# Allegro board mb1260.brd
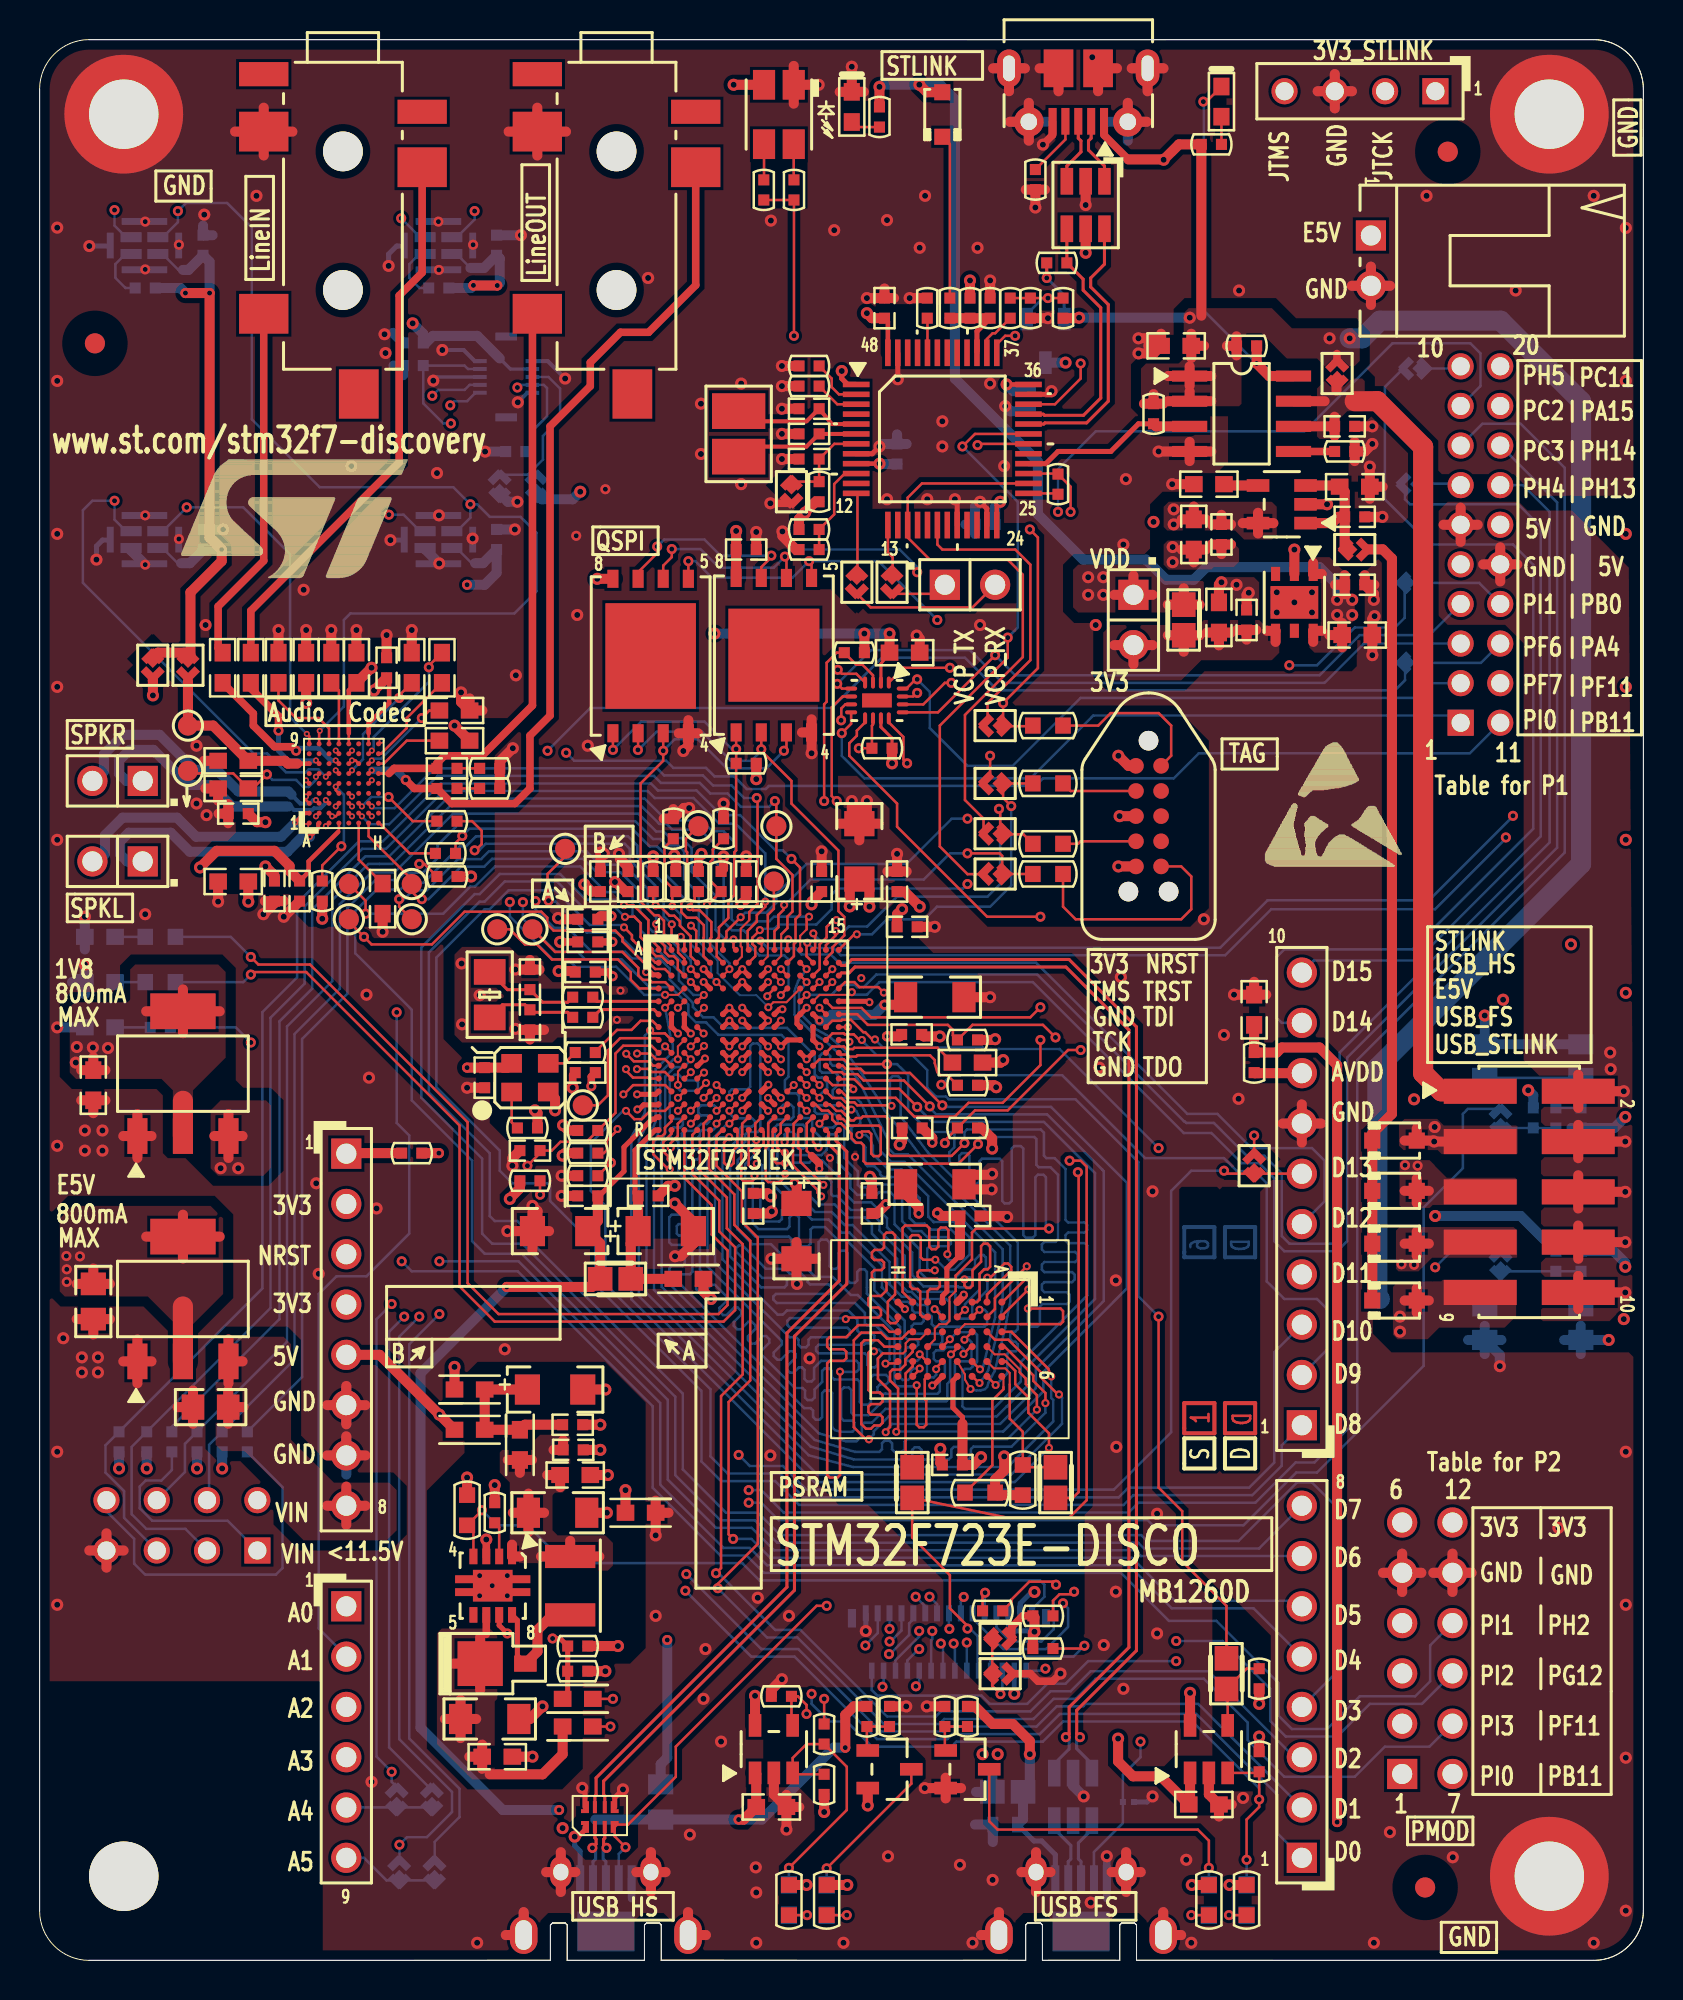
[diagram p0: board, top side]
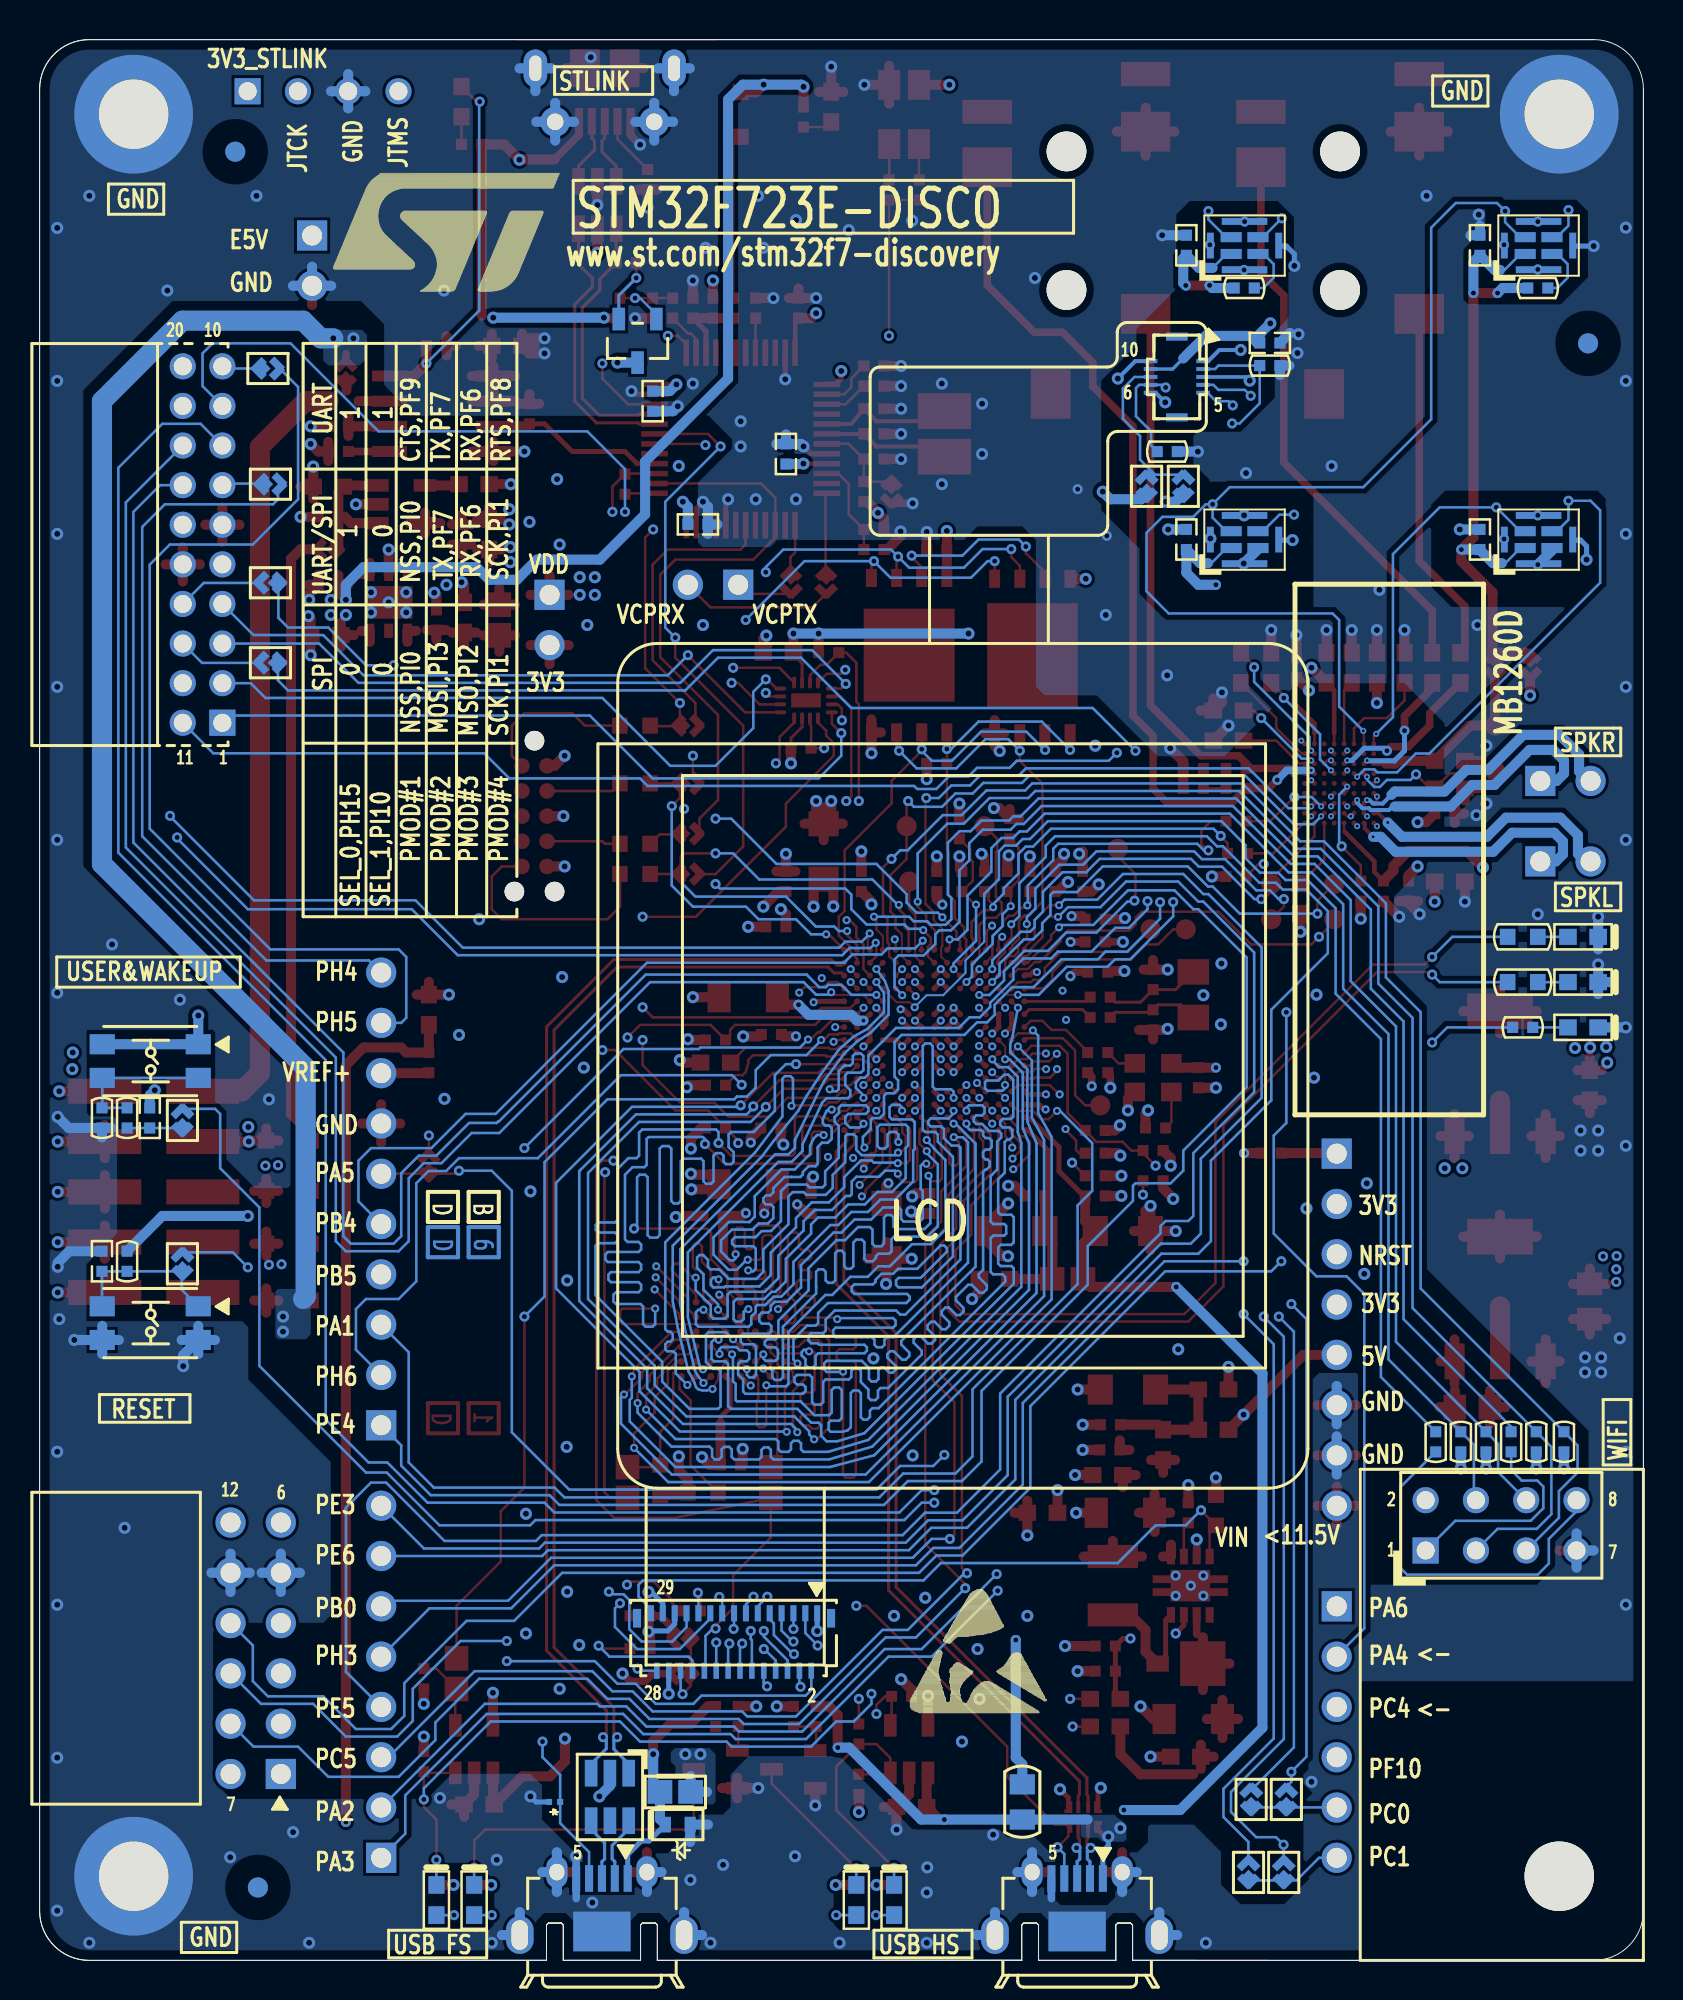
[diagram p1: board, bottom side, seen from below]

Outline 81 x 97 mm; copper layers: TOP, L2_GND, L3_VCC, L4_SIG, L5_GND, BOTTOM. Coordinates in mm from the lower left corner of the outline.
Outline path: 0,94.49 0,90.31 ; 0,94.49 arc(0.74,96.26) 2.51,97 ; 0,94.49 0,90.31 ; 0,90.31 0,2.51 ; 0,90.31 0,2.51 ; 2.51,97 78.49,97 ; 2.51,97 78.49,97 ; 0,2.51 arc(0.74,0.74) 2.51,0 ; 78.49,97 arc(80.27,96.26) 81,94.49 ; 78.49,97 arc(80.27,96.26) 81,94.49 ; 2.51,0 25.8,0 ; 2.51,0 25.8,0 ; 25.8,0 18.95,0 ; 25.8,0 25.8,1.79 ; 25.8,0 25.8,1.79 ; 25.8,1.79 25.9,1.89 ; 25.8,1.79 25.9,1.89 ; 25.9,1.89 26.55,1.89 ; 25.9,1.89 26.55,1.89 ; 26.55,1.89 26.65,1.79 ; 26.55,1.89 26.65,1.79 ; 26.65,1.79 26.65,0 ; 26.65,1.79 26.65,0 ; 26.65,0 30.55,0 ; 26.65,0 30.55,0 ; 30.55,0 30.55,1.79 ; 30.55,0 30.55,1.79 ; 30.55,1.79 30.65,1.89 ; 30.55,1.79 30.65,1.89 ; 30.65,1.89 31.3,1.89 ; 30.65,1.89 31.3,1.89 ; 31.3,1.89 31.4,1.79 ; 31.3,1.89 31.4,1.79 ; 31.4,1.79 31.4,0 ; 31.4,1.79 31.4,0 ; 31.4,0 34.57,0 ; 31.4,0 48.9,0 ; 31.4,0 49.8,0 ; 31.4,0 49.8,0 ; 49.8,0 49.8,1.79 ; 49.8,0 49.8,1.79 ; 49.8,1.79 49.9,1.89 ; 49.8,1.79 49.9,1.89 ; 49.9,1.89 50.55,1.89 ; 49.9,1.89 50.55,1.89 ; 50.55,1.89 50.65,1.79 ; 50.55,1.89 50.65,1.79 ; 50.65,1.79 50.65,0 ; 50.65,1.79 50.65,0 ; 50.65,0 54.55,0 ; 50.65,0 54.55,0 ; 54.55,0 54.55,1.79 ; 54.55,0 54.55,1.79 ; 50.93,0 54.36,0 ; 54.55,1.79 54.65,1.89 ; 54.55,1.79 54.65,1.89 ; 54.65,1.89 55.3,1.89 ; 54.65,1.89 55.3,1.89 ; 55.3,1.89 55.4,1.79 ; 55.3,1.89 55.4,1.79 ; 55.4,1.79 55.4,0 ; 55.4,1.79 55.4,0 ; 55.4,0 58.57,0 ; 55.4,0 78.49,0 ; 55.4,0 78.49,0 ; 78.49,0 arc(80.27,0.74) 81,2.51 ; 78.49,0 arc(80.27,0.74) 81,2.51 ; 81,94.49 81,92.47 ; 81,94.49 81,92.47 ; 81,92.47 81,2.51 ; 81,92.47 81,2.51

## Design rules (mm)
net group 5V_USB_HS: nets 5V_USB_HS USB_OTGHS_VBUS
net group ARD_D5: nets ARD_D5 STMOD+_TIM3_CH3
net group ARD_D14: nets ARD_D14 STMOD+_I2C2_SDA
net group DIFFPAIR1: nets NETCN7_1 NETCN7_2
net group DIFFPAIR2: nets NETCN10_1 NETCN10_2
net group LCD-RS_A0: nets LCD-RS_A0 PSRAM_A0
net group LCD_PSRAM_NWE: nets LCD_PSRAM_NWE NETR64_2
net group NETB1_2: nets NETB1_2 NETC86_2
net group NETC9_2: nets NETC9_2 NETD2_2
net group NETC18_1: nets NETC18_1 NETC18_2
net group NETC25_1: nets NETC25_1 NETC25_2
net group NETC27_1: nets NETC27_1 NETC27_2
net group NETC30_1: nets NETC30_1 NETC30_2
net group NETC32_1: nets NETC32_1 NETC32_2
net group NETC48_2: nets NETC48_2 PC14-OSC32_IN
net group NETC51_2: nets NETC51_2 PC15-OSC32_OUT
net group NETCN14_1: nets NETCN14_1 WIFI_RX
net group NETCN14_8: nets NETCN14_8 WIFI_TX
net group NETLD5_1: nets NETLD5_1 SYS_LD_USER1
net group NETLD6_1: nets NETLD6_1 SYS_LD_USER2
net group NETLD7_2: nets NETLD7_2 USB_OTGHS_OVCR
net group NETR10_1: nets NETR10_1 USB_STLK_P
net group NETR35_2: nets NETR35_2 SAI2_I2C1_SDA
net group NETR39_2: nets NETR39_2 SAI2_I2C1_SCL
net group NETR63_1: nets NETR63_1 PSRAM_NE1
net group NETR72_2: nets NETR72_2 USB_OTGFS_PPWR_EN
net group NETR76_2: nets NETR76_2 USB_OTGFS_VBUS
net group OSC_25M: nets OSC_25M PH0-OSCIN
net group STLINK_RX: nets STLINK_RX VCP_TX
net group STLINK_TX: nets STLINK_TX VCP_RX
net group SYS_STLINK_JTMS: nets SYS_STLINK_JTMS TAG_SWDIO
net group T_JTMS: nets T_JTMS T_SWDIO_IN
net group USB_OTGFS: nets USB_OTGFS_N USB_OTGFS_P
net group USB_OTGFS_CN: nets USB_OTGFS_CN_N USB_OTGFS_CN_P
net group USB_OTGHS: nets USB_OTGHS_N USB_OTGHS_P
net group USB_OTGHS_CN: nets USB_OTGHS_CN_N USB_OTGHS_CN_P
net group USB_STLK_CN: nets USB_STLK_CN_N USB_STLK_CN_P
net group 3V3_ST_LINK: nets AIN_1 NETD1_2 PWR_EXT STM_RST
net group 5V: nets NETLD2_1
net group 5V_ST_LINK: nets NETLD3_1 NETLD3_2 NETR7_1 PWR_ENN USB_RENUMN
net group ARD_A5: nets ARD_A5 ARD_D15 NETCN15_6
net group ARD_D13: nets ARD_D13 NETLD1_1 NETR12_2
net group BLGND: nets LEDK NETC67_1 NETL7_2 NETR67_2
net group DATA: nets NETR19_2
net group DIFFPAIR0: nets USB_STLK_N
net group DMIC_VDD: nets DMIC_VDD NETR85_1 NETR86_1
net group E5V: nets NETCN12_1
net group LED_STLINK: nets LED_STLINK NETLD4_2 NETLD4_3
net group NETB2_1: nets NETB2_1 NRST TAG_NRST
net group NETCN11_8: nets NETCN11_8 VDDA VREF+
net group SYS_STLINK_JTCK: nets SYS_STLINK_JTCK T_JTCK TAG_SWCLK
net group SYS_STLINK_JTDO-SWO: nets SYS_STLINK_JTDO-SWO T_SWO TAG_SWO

## Placement (name value [footprint] x y rotation side)
B1  SW-PUSH-CMS_EVQP2_BLUE  [TACT_4SM_3R5X5R5]  75.41 45.42 90 bottom
B2  SW-PUSH-CMS_EVQP2_BLACK  [TACT_4SM_3R5X5R5]  75.41 32.18 90 bottom
C1  100nF  [0402C]  42.67 83.44 90 top
C2  100nF  [0402C]  18.87 81.68 180 bottom
C3  1uF  [0603C]  57.4 81.53 0 top
C4  10pF  [0402C]  38.86 78.36 0 top
C5  100nF  [0402C]  65.91 77.47 180 top
C6  10pF  [0402C]  38.86 77.09 0 top
C7  100nF  [0402C]  38.86 75.82 0 top
C8  10nF_X7R_10%_0603  [0603C]  59.05 74.55 0 top
C9  1uF  [0603C]  66.42 74.42 180 top
C10  100nF  [0402C]  66.42 72.9 180 top
C11  1uF  [0603C]  58.29 72.01 90 top
C12  100nF  [0402C]  59.69 72.01 90 top
C13  100nF  [0402C]  35.69 71.25 180 top
C14  100nF  [0402C]  66.42 69.47 180 top
C15  1uF  [0603C]  59.56 67.82 270 top
C16  100nF  [0402C]  60.96 67.69 270 top
C17  1uF  [0603C]  66.55 66.93 180 top
C18  1uF  [0603C]  10.67 65.28 90 top
C19  4.7uF  [0603C]  12.06 65.28 270 top
C20  4.7uF  [0603C]  13.46 65.28 90 top
C21  4.7uF  [0603C]  14.73 65.28 90 top
C22  4.7uF  [0603C]  16 65.28 90 top
C23  100nF  [0402C]  17.53 65.28 90 top
C24  1uF  [0603C]  18.8 65.28 90 top
C25  2.2uF_X5R_10%_0603  [0603C]  20.32 65.28 90 top
C26  2.2uF_X5R_10%_0603  [0603C]  20.95 63.12 0 top
C27  1uF  [0603C]  9.25 65.28 90 top
C28  2.2uF_X5R_10%_0603  [0603C]  20.95 61.59 0 top
C29  4.7uF  [0603C]  9.78 60.58 0 top
C30  100nF  [0402C]  20.57 60.2 0 top
C31  4.7uF  [0603C]  9.78 59.18 0 top
C32  100nF  [0402C]  20.57 59.18 0 top
C33  100nF  [0402C]  10.03 57.91 180 top
C34  4.7uF  [TAN-A]  41.4 56.01 270 top
C35  1uF  [0603C]  9.78 54.48 0 top
C36  100nF  [0402C]  28.32 54.48 270 top
C37  100nF  [0402C]  29.72 54.48 270 top
C38  100nF  [0402C]  35.69 54.48 270 top
C39  100nF  [0402C]  39.5 54.48 270 top
C40  100nF  [0402C]  43.31 54.48 270 top
C41  100nF  [0402C]  11.86 54 270 top
C42  100nF  [0402C]  13.13 54 270 top
C43  1uF  [0603C]  17.32 53.62 90 top
C44  100nF  [0402C]  27.69 52.58 0 top
C45  100nF  [0402C]  43.81 52.2 180 top
C46  100nF  [0402C]  27.69 51.44 0 top
C47  100nF  [0402C]  27.56 49.91 0 top
C48  4.7pF_NPO_-+0.25pF_0402  [0402C]  24.77 49.53 270 top
C49  2.2uF  [1206C]  45.21 48.64 180 top
C50  1uF  [0603C]  61.34 48.01 270 top
C51  4.7pF_NPO_-+0.25pF_0402  [0402C]  24.77 47.5 90 top
C52  100nF  [0402C]  44.04 46.76 180 top
C53  100nF  [0402C]  27.56 44.83 0 top
C54  2.2uF_X5R_10%_0603  [0603C]  46.86 45.34 0 top
C55  100nF  [0402C]  22.48 44.58 90 top
C56  100nF  [0402C]  44.07 42.04 180 top
C57  10uF  [0603C]  2.71 44.2 90 top
C58  2.2uF  [1206C]  45.21 39.19 180 top
C59  100nF  [0402C]  27.69 38.61 0 top
C60  100nF  [0402C]  30.73 38.61 180 top
C61  100nF  [0402C]  36.04 38.23 90 top
C62  100nF  [0402C]  42.04 38.23 90 top
C63  100nF  [0402C]  46.99 37.59 180 top
C64  1uF  [TAN-A]  26.29 36.83 0 top
C65  1uF  [TAN-A]  31.62 36.83 180 top
C66  4.7uF  [TAN-A]  38.23 36.83 90 top
C67  10uF_POL_10%_TANA  [TAN-A]  26.04 28.83 180 top
C68  10uF  [0805C]  2.71 33.27 90 top
C69  100nF  [0402C]  26.92 27.05 180 top
C70  100nF  [0402C]  26.95 25.78 180 top
C71  100nF  [0402C]  46.1 25.02 0 top
C72  10nF_X7R_10%_0603  [0603C]  27.05 24.51 180 top
C73  4.7uF_X7R_10%_1206  [1206C]  26.16 22.61 180 top
C74  10uF  [0805C]  8.64 27.94 0 top
C75  4.7uF_X7R_10%_1206  [1206C]  22.73 12.19 180 top
C76  10nF_X7R_10%_0603  [0603C]  23.11 10.29 180 top
C77  4.7uF  [0603C]  58.8 7.87 0 top
C78  4.7uF  [0603C]  36.96 7.75 0 top
C79  100nF  [0402C]  23.08 86.61 90 bottom
C80  100nF  [0402C]  8.26 86.61 90 bottom
C81  100nF  [0402C]  50.04 78.74 90 bottom
C82  100nF  [0402C]  43.31 76.07 270 bottom
C83  100nF  [0402C]  47.75 72.52 0 bottom
C84  100nF  [0402C]  23.08 71.75 90 bottom
C85  100nF  [0402C]  8.26 71.75 90 bottom
C86  100nF  [0402C]  75.44 42.55 270 bottom
C87  100nF  [0402C]  77.85 35.31 270 bottom
C92  1uF  [0603C]  43.69 66.04 0 top
C93  100nF  [0402C]  24.77 40.89 0 top
CN1  1050170001  [MICRO_USB_B_105017]  52.46 92.95 180 top
CN2  Header 4  [HDR_1X4_2R54]  70.5 94.39 180 top
CN3  WF25402-06421  [HDR_1X2_2R54_RA_11R35]  67.24 87.11 90 top
CN4  PJ3028B-3_BE_3PINS  [PJ3028B]  15.32 91.35 270 top
CN5  PJ3028B-3_GR_3PINS  [PJ3028B]  29.14 91.35 270 top
CN6  JP2  [SIP2]  45.72 69.47 0 top
CN7  JP2  [SIP2]  5.21 59.56 180 top
CN8  Header M Straight 5x2H TSM  [TSM-105-01-S-DV]  75.23 38.81 270 top
CN9  -  [TC2050-IDC-NL]  56.01 57.78 270 top
CN10  JP2  [SIP2]  5.21 55.5 180 top
CN11  BL 1-10 G  [HDR_1X10_2R54_W]  63.75 27.02 90 top
CN12  BL 1-8 G  [HDR_1X8_2R54_W]  15.49 40.74 270 top
CN13  BL 1-8 G  [HDR_1X8_2R54_W]  63.75 5.18 90 top
CN14  Header F Straight 4x2H  [HDR_2X4_2R54]  11 20.7 180 bottom
CN15  BL 1-6 G  [HDR_1X6_2R54_W]  15.49 17.88 270 top
CN16  DF37NB-10DS-0.4V (5x)  [DF37NB-10DS-0R4V]  23.56 79.96 90 bottom
CN17  FH26-29S-0.3SHW  [FH26-29S-0R3SHW]  45.93 16.08 0 bottom
CN18  475900001  [MOLEX_47590001]  52.6 4.14 180 bottom
CN19  475900001  [MOLEX_47590001]  28.6 4.14 180 bottom
D1  BAT60JFILM  [SOD-323]  45.59 93.22 90 top
D2  BAT60JFILM  [SOD-323]  68.43 33.32 0 top
D3  BAT60JFILM  [SOD-323]  68.43 36.2 0 top
D4  BAT60JFILM  [SOD-323]  68.43 38.86 0 top
D5  BAT60JFILM  [SOD-323]  68.43 41.4 0 top
H1  POSITION HOLE C6D3R5  [HOLE_C6D3R5]  76.25 93.23 0 top
H2  POSITION HOLE C6D3R5  [HOLE_C6D3R5]  4.25 93.23 0 top
H4  POSITION HOLE C6D3R5  [HOLE_C6D3R5]  76.25 4.25 0 top
JP1  JP2  [SIP2]  55.24 68.96 270 top
L1  FCM1608KF-601T03  [0603L]  32.77 34.42 180 top
L2  FCM1608KF-601T03  [0603L]  21.72 28.83 0 top
L3  FCM1608KF-601T03  [0603L]  21.72 26.8 0 top
L4  FCM1608KF-601T03  [0603L]  24.26 26.04 270 top
L5  FCM1608KF-601T03  [0603L]  30.35 22.61 180 top
L6  4.7uH 1A 30%  [1210L]  26.8 18.92 270 top
L7  FCM1608KF-601T03  [0603L]  27.18 13.21 180 top
L8  FCM1608KF-601T03  [0603L]  27.18 11.81 0 top
LD1  LED blue  [0603D]  3.05 47.12 180 bottom
LD2  LED red  [0603D]  41.02 93.6 90 top
LD3  LED red  [0603D]  59.69 93.87 90 top
LD4  LD_BICOLOR_CMS  [LED2_3528]  37.34 93.22 180 top
LD5  LED red  [0603D]  3.05 51.69 180 bottom
LD6  LED green  [0603D]  3.05 49.4 180 bottom
LD7  LED red  [0603D]  37.85 3.05 90 bottom
LD8  LED green  [0603D]  39.75 3.05 90 bottom
LD9  LED green  [0603D]  59.05 3.05 90 bottom
LD10  LED red  [0603D]  60.96 3.05 90 bottom
NOREF  -  []  4.7 228.5 0 top
NOREF#2  -  []  15.49 5.18 0 top
NOREF#3  -  []  450.6 -120.4 0 top
NOREF#4  -  []  322.2 176.15 0 top
NOREF#5  -  [unnamed#2]  69.98 3.68 0 top
NOREF#6  -  [unnamed#2]  2.79 81.66 0 top
NOREF#7  -  []  78.49 0 90 top
NOREF#8  -  [unnamed#2]  71.12 91.34 0 top
NOREF#9  -  []  15.49 17.88 90 top
NOREF#10  -  []  283.34 118.87 0 top
NOREF#11  -  []  13.59 -41.66 0 top
NOREF#12  -  []  -7.62 0 0 top
NOREF#13  -  []  76.25 4.25 0 top
NOREF#14  -  [unnamed#2]  4.25 4.25 0 top
NOREF#15  -  []  4.25 4.25 90 top
NOREF#16  -  []  4.62 87.02 0 top
NOREF#17  -  []  2.51 0 90 top
NOREF#18  -  []  0 2.51 0 top
NOREF#19  -  []  63.75 22.96 90 top
NOREF#20  -  []  4.62 72.17 90 top
NOREF#21  -  []  4.25 4.25 0 top
NOREF#22  Value  []  -60.71 -15.54 270 bottom
NOREF#23  Value  []  34.37 45.18 270 bottom
NOREF#24  -  [unnamed#2]  69.98 3.68 180 bottom
NOREF#25  -  [unnamed#2]  71.12 91.34 180 bottom
NOREF#26  -  [unnamed#2]  2.79 81.66 180 bottom
P1  -  [SQT-110-01-F-D-RA]  72.77 71.5 270 bottom
P2  -  [SSW-106-02-F-D-RA]  68.82 9.41 270 bottom
R1  1K  [0402R]  42.42 93.09 270 top
R2  1K  [0402R]  59.18 91.71 180 top
R3  100K_1%_0402  [0402R]  44.83 83.44 270 top
R4  2K7  [0402R]  45.97 83.44 90 top
R5  0  [0402R]  46.99 83.44 90 top
R6  4K7_1%_0402  [0402R]  48.01 83.44 270 top
R7  100  [0402R]  49.02 83.44 270 top
R8  36K  [0402R]  50.04 83.44 90 top
R9  100K_1%_0402  [0402R]  50.29 89.93 90 top
R10  1K5  [0402R]  51.37 85.72 0 top
R11  10K  [0402R]  51.69 83.44 90 top
R12  680_1%_0402  [0402R]  6.1 47.12 0 bottom
R13  330  [0402R]  36.58 89.41 90 top
R14  330  [0402R]  38.1 89.41 90 top
R15  100K_1%_0402  [0402R]  60.96 81.53 180 top
R16  47K_1%_0402  [0402R]  37.47 13.34 0 top
R17  10K  [0402R]  38.86 80.52 0 top
R18  100K_1%_0402  [0402R]  24.05 76.19 0 bottom
R19  10K  [0402R]  38.86 79.5 0 top
R20  10K  [0402R]  56.26 78.11 90 top
R21  100K_1%_0402  [0402R]  18.87 80.54 0 bottom
R22  2K2  [0402R]  65.91 76.2 0 top
R23  100  [0402R]  51.44 74.55 270 top
R24  100K_1%_0402  [0402R]  39.37 74.17 270 top
R25  4K7_1%_0402  [0402R]  38.86 72.26 0 top
R26  4K7_1%_0402  [0402R]  38.86 71.25 0 top
R27  0_5%_0603  [0603R-GS]  57.78 67.69 270 top
R28  22R  [R0603]  50.93 62.36 180 top
R29  10K  [0402R]  42.55 61.21 180 top
R30  10K  [0402R]  35.69 60.45 0 top
R31  20  [0402R]  22.73 60.2 0 top
R32  22R  [R0603]  50.93 59.44 180 top
R33  20  [0402R]  22.73 59.18 0 top
R35  0  [0402R]  20.57 57.53 180 top
R36  10K  [0402R]  32 57.15 270 top
R37  10K  [0402R]  34.54 57.15 270 top
R38  22R  [R0603]  50.93 56.39 180 top
R39  0  [0402R]  20.5 55.91 180 top
R40  22R  [R0603]  50.93 54.86 180 top
R41  10K  [0402R]  20.57 54.74 180 top
R42  2K7  [0402R]  30.99 54.48 270 top
R43  10K  [0402R]  32.13 54.48 270 top
R44  2K7  [0402R]  33.27 54.48 270 top
R45  10K  [0402R]  34.42 54.48 270 top
R46  10K  [0402R]  14.27 54 270 top
R47  1K_1%_0603  [0603R]  6.1 51.69 180 bottom
R48  510_1%_0603  [0603R]  6.1 49.4 180 bottom
R49  0  [0402R]  27.43 48.64 0 top
R50  0  [0402R]  27.43 47.62 0 top
R51  100  [0402R]  27.56 45.85 0 top
R52  2K7  [0402R]  46.86 46.48 180 top
R53  0  [0402R]  61.34 45.34 90 top
R54  3K  [0402R]  46.86 44.2 0 top
R55  10K  [0402R]  24.64 42.04 180 top
R56  2K7  [0402R]  46.86 42.04 0 top
R57  10K  [0402R]  27.69 41.91 180 top
R58  1K  [0402R]  18.8 40.77 0 top
R59  2K7  [0402R]  24.77 39.37 180 top
R60  2K7  [0402R]  27.69 40.77 180 top
R61  10K  [0402R]  27.69 39.62 0 top
R62  0_5%_0603  [0603R-GS]  29.08 34.42 0 top
R63  10K_1%_0603  [0603R]  49.66 24.26 270 top
R64  0_5%_0603  [0603R-GS]  44.07 24.13 90 top
R65  0_5%_0603  [0603R-GS]  51.31 24.13 90 top
R66  10_1%_0603  [0603R]  21.59 22.73 270 top
R67  100K_1%_0402  [0402R]  22.99 22.61 270 top
R68  100K_1%_0402  [0402R]  50.67 17.4 0 top
R69  100K_1%_0402  [0402R]  27.18 15.88 180 top
R70  100K_1%_0402  [0402R]  50.67 15.75 0 top
R71  100K_1%_0402  [0402R]  27.18 14.61 180 top
R72  0_5%_0603  [0603R-GS]  59.94 14.48 270 top
R73  47K_1%_0402  [0402R]  61.59 14.22 270 top
R74  47K_1%_0402  [0402R]  41.78 12.32 90 top
R75  100K_1%_0402  [0402R]  42.93 12.32 90 top
R76  10K  [0402R]  45.72 12.32 270 top
R77  47K_1%_0402  [0402R]  46.86 12.32 90 top
R78  0  [0402R]  39.62 11.43 90 top
R79  47K_1%_0402  [0402R]  61.59 10.03 90 top
R80  3K3  [0402R]  39.62 8.89 90 top
R81  620_1%_0603  [0603R]  37.85 3.05 270 top
R82  330_1%_0603  [0603R]  39.75 3.05 90 top
R83  330_1%_0603  [0603R]  59.05 3.05 90 top
R84  620_1%_0603  [0603R]  60.96 3.05 90 top
R85  10K  [0402R]  20.16 84.45 0 bottom
R86  10K  [0402R]  5.33 84.45 0 bottom
R89  10K  [0402R]  77.85 42.55 90 bottom
R90  10K  [0402R]  76.58 42.55 90 bottom
R91  10K  [0402R]  76.58 35.31 90 bottom
R92  1K  [0402R]  6.68 26.19 270 bottom
R93  10K  [0402R]  5.41 26.19 90 bottom
R94  10K  [0402R]  9.22 26.19 90 bottom
R95  10K  [0402R]  7.95 26.19 90 bottom
R96  10K  [0402R]  4.01 26.19 90 bottom
R97  1K  [0402R]  10.49 26.19 90 bottom
R98  0_5%_0805  [0805R]  31.37 8 270 bottom
R99  0_5%_0603  [0603R-GS]  48.9 8.51 180 bottom
R100  10K_1%_0603  [0603R]  47.5 23.62 0 top
R101  0  [0402R]  48.13 17.65 180 top
R102  10K  [0402R]  41.15 66.04 0 top
SB1  Solder Bridge ON  [JP2_SMD]  5.71 65.41 90 top
SB2  Solder Bridge OFF  [JP2_SMD]  23.24 74.44 270 bottom
SB3  Solder Bridge OFF  [JP2_SMD]  65.53 80.14 270 top
SB4  Solder Bridge ON  [JP2_SMD]  25.09 74.44 270 bottom
SB5  Solder Bridge OFF  [JP2_SMD]  7.49 65.41 90 top
SB6  Solder Bridge OFF  [JP2_SMD]  37.97 74.17 90 top
SB7  Solder Bridge ON  [JP2_SMD]  66.42 71.25 180 top
SB8  Solder Bridge ON  [JP2_SMD]  41.27 69.6 90 top
SB9  Solder Bridge ON  [JP2_SMD]  43.05 69.6 90 top
SB10  Solder Bridge ON  [JP2_SMD]  48.26 62.36 0 top
SB11  Solder Bridge ON  [JP2_SMD]  48.26 59.44 0 top
SB12  Solder Bridge ON  [JP2_SMD]  48.26 56.9 0 top
SB13  Solder Bridge ON  [JP2_SMD]  48.26 54.86 0 top
SB14  Solder Bridge ON  [JP2_SMD]  61.34 40.13 270 top
SB15  Solder Bridge ON  [JP2_SMD]  48.51 16.26 180 top
SB16  Solder Bridge OFF  [JP2_SMD]  48.51 14.48 180 top
SB25  Solder Bridge ON  [JP2_SMD]  69.34 74.55 0 bottom
SB27  Solder Bridge ON  [JP2_SMD]  69.47 80.39 0 bottom
SB28  Solder Bridge ON  [JP2_SMD]  69.34 65.53 180 bottom
SB29  Solder Bridge ON  [JP2_SMD]  69.34 69.57 180 bottom
SB33  Solder Bridge ON  [JP2_SMD]  73.79 42.42 270 bottom
SB34  Solder Bridge ON  [JP2_SMD]  73.79 35.18 270 bottom
SB35  Solder Bridge ON  [JP2_SMD]  19.81 8.13 270 bottom
SB36  Solder Bridge OFF  [JP2_SMD]  18.03 8.13 270 bottom
SB37  Solder Bridge ON  [JP2_SMD]  19.94 4.44 270 bottom
SB38  Solder Bridge OFF  [JP2_SMD]  18.17 4.44 270 bottom
T1  9013-SOT23  [SOT-23]  42.93 9.65 180 top
T2  9013-SOT23  [SOT-23]  46.86 9.65 180 top
T3  9013-SOT23  [SOT-23]  50.8 81.79 90 bottom
TP1  TP  [TP_C40]  7.49 62.36 180 top
TP2  TP  [TP_C40]  7.49 60.07 180 top
TP3  TP  [TP_C40]  33.27 57.28 0 top
TP4  TP  [TP_C40]  37.21 57.28 0 top
TP5  TP  [TP_C40]  37.08 54.48 0 top
TP6  TP  [TP_C40]  15.62 54.36 0 top
TP7  TP  [TP_C40]  18.8 54.36 0 top
TP8  TP  [TP_C40]  26.54 56.13 0 top
TP11  TP  [TP_C40]  15.62 52.58 0 top
TP12  TP  [TP_C40]  18.8 52.58 0 top
TP13  TP  [TP_C40]  23.11 52.07 0 top
TP14  TP  [TP_C40]  24.89 52.07 0 top
TP15  TP  [TP_C40]  27.43 43.18 0 top
U1  ST890CDR  [SOIC8_1R27_4R9X6]  60.71 78.11 270 top
U2  STM32F103CBT6  [LQFP48_0R5_9X9]  45.59 76.83 0 top
U3  LD3985M33R  [SOT-23-5L]  62.74 73.53 90 top
U4  LD39050PU33R  [DFN6_0R95_3X3]  63.37 68.58 180 top
U5  MX25L51245G (MACRONIX)  [SON8_1R27_6X8]  37.08 65.91 0 top
U6  N25Q512A13GF840E (MICRON)  [DFN8_1R27_6X8_TP4R6X5R3]  30.86 65.87 0 top
U7  WM8994ECS_R  [BGA72_0R5_4R5X4]  15.37 59.44 90 top
U8  STM32F723IEK  [BGA176_0R65_10X10]  35.81 46.48 0 top
U9  LD1117S18TR  [SOT-223]  7.24 44.78 270 top
U10  IS66WV51216EBLL-55BLI  [FBGA48_0R75_6X8]  45.97 31.37 270 top
U11  LD1117S50TR  [SOT-223]  7.24 33.4 270 top
U12  STLD40DPUR  [SON8_0R65_3X3]  22.89 18.92 180 top
U13  STMPS2151STR  [SOT23-5]  37.08 10.67 0 top
U14  STMPS2141STR  [SOT23-5]  59.05 10.67 0 top
U15  ECMF02-4CMX8  [QFN8_0R5_2R5X1R2]  28.3 7.24 0 top
U16  MP34DT01  [MP34DT01TR]  20.14 86.6 90 bottom
U17  MP34DT01  [MP34DT01TR]  5.29 86.6 90 bottom
U18  MP34DT01  [MP34DT01TR]  20.14 71.75 90 bottom
U19  MP34DT01  [MP34DT01TR]  5.29 71.75 90 bottom
U20  STG3692QTR  [QFN16_0R4_2R5X1R7]  42.29 63.63 180 top
U21  USBLC6-2SC6  [SOT23-6]  52.83 88.65 180 top
U22  USBLC6-2SC6  [SOT23-6]  52.2 8.26 0 bottom
U23  ESDALC6V1-1U2  [D0201_21]  54.99 8 0 bottom
U24  ESDA7P60-1U1M  [DO_2SM_1R6X1_21]  48.77 6.86 180 bottom
X1  NX3225GD-8.00M  [XTAL_2SM_3R2X2R5_H1]  35.31 77.09 90 top
X2  NX3215SA-32.768K  [XTAL_2SM_3R2X1R5]  22.73 48.77 270 top
X3  NZ2520SB-25.00M  [OSC_4SM_2R5X2]  24.77 44.58 0 top
Z1  STPS1L40M  [DO-216AA]  24.54 14.99 0 top
